# Allegro board 8880F5-0825_4.brd (continued)
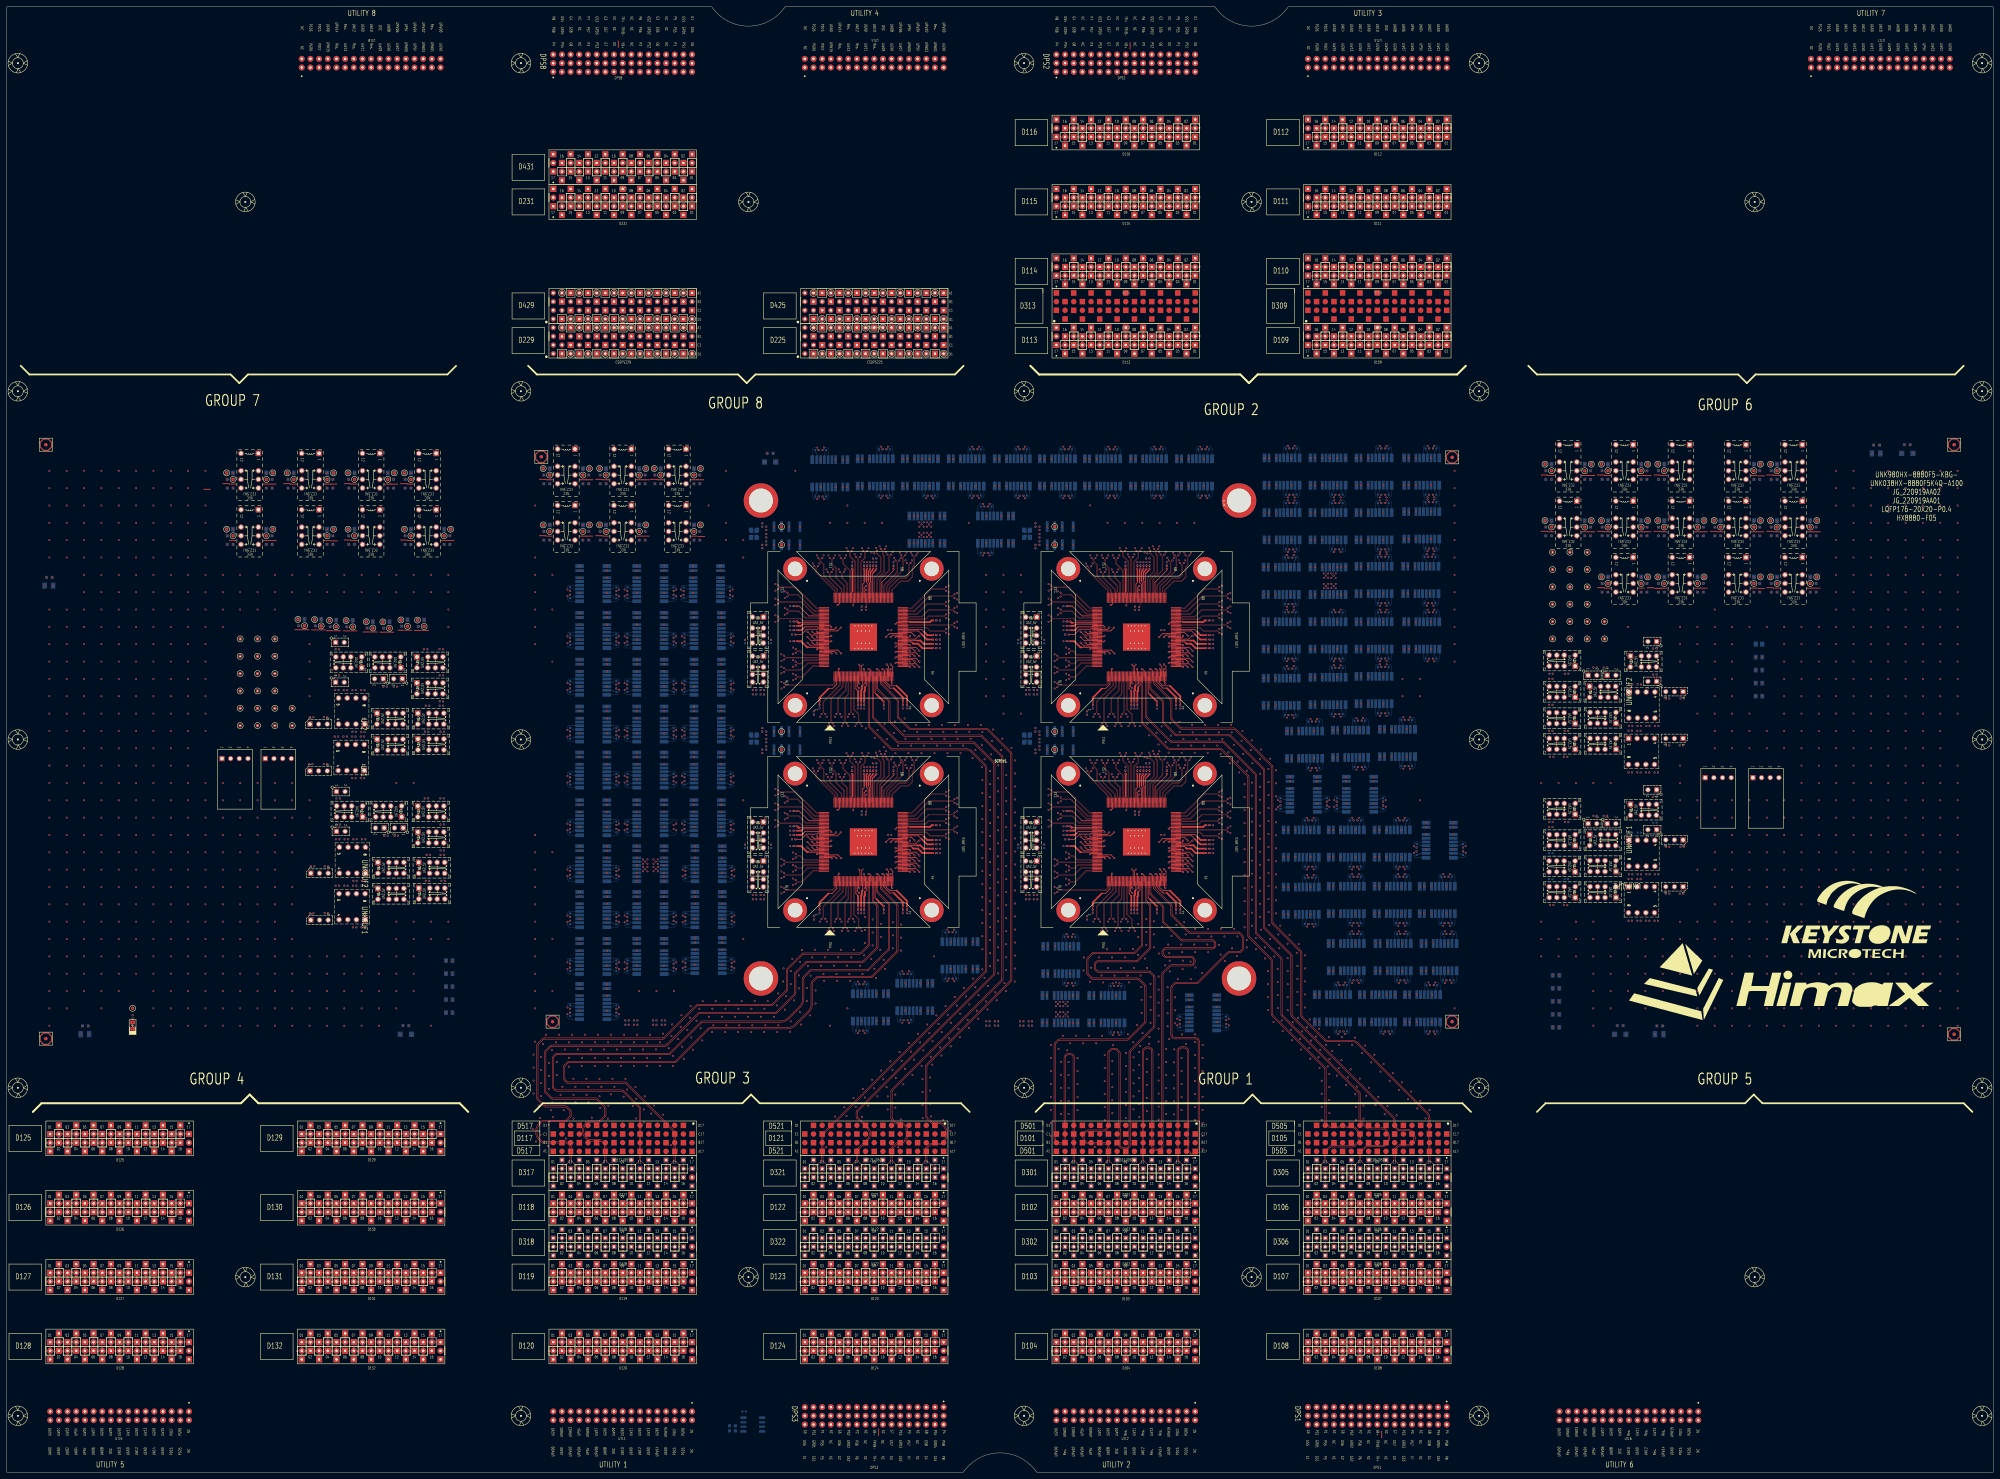
[diagram p0: board, top side]
## Routing (per net, layer and track width the routed paths; a pad name or vN(x,y) marks a point on that pad's centre or on a via; arc(x,y) is an arc through that point) (continued)
  L28_SIGNAL w0.074: D301.A9 328.37,83.82 ; D301.A9 327.66,84.53 ; D301.A9 326.95,83.82 ; D301.A9 327.66,83.11 ; D125.A11 38.1,94.79 ; D125.A11 38.1,93.17 ; D125.A11 37.29,93.98 ; D125.A11 38.91,93.98 ; D112.A6 409.75,393.7 ; D112.A6 408.94,392.89 ; D112.A6 408.94,394.51 ; D112.A6 408.13,393.7 ; D119.A16 198.12,56.69 ; D119.A16 198.93,55.88 ; D119.A16 197.31,55.88 ; D119.A16 198.12,55.07 ; D305.B3 386.79,88.9 ; D305.B3 386.08,89.61 ; D305.B3 385.37,88.9 ; D305.B3 386.08,88.19 ; 330.2,331.93 D113.A8 ; D113.A8 330.2,333.55 ; D113.A8 331.01,332.74 ; D113.A8 329.39,332.74 ; D305.A12 408.94,87.07 ; D305.A12 409.65,86.36 ; D305.A12 408.23,86.36 ; D305.A12 408.94,85.65 ; 314.15,388.62 D116.B14 ; D116.B14 314.96,389.43 ; D116.B14 314.96,387.81 ; D116.B14 315.77,388.62 ; D118.B15 195.58,79.55 ; D118.B15 194.77,78.74 ; D118.B15 195.58,77.93 ; D118.B15 196.39,78.74 ; 411.48,334.47 D109.A5 ; D109.A5 410.67,335.28 ; D109.A5 411.48,336.09 ; D109.A5 412.29,335.28 ; D302.A15 342.9,64.21 ; D302.A15 342.9,62.79 ; D302.A15 342.19,63.5 ; D302.A15 343.61,63.5 ; D110.B3 416.56,351.33 ; D110.B3 417.37,350.52 ; D110.B3 416.56,349.71 ; D110.B3 415.75,350.52 ; DPS3.C05 243.84,19.86 ; DPS3.C05 243.84,18.24 ; DPS3.C05 243.03,19.05 ; DPS3.C05 244.65,19.05 ; 187.15,81.28 D118.B12 ; D118.B12 188.77,81.28 ; D118.B12 187.96,80.47 ; D118.B12 187.96,82.09 ; D113.A9 327.66,336.09 ; D113.A9 326.85,335.28 ; D113.A9 328.47,335.28 ; D113.A9 327.66,334.47 ; D111.A14 389.43,373.38 ; D111.A14 387.81,373.38 ; D111.A14 388.62,372.57 ; D111.A14 388.62,374.19 ; D322.A8 251.46,66.75 ; D322.A8 252.17,66.04 ; D322.A8 250.75,66.04 ; D322.A8 251.46,65.33 ; 415.75,58.42 D107.B15 ; D107.B15 417.37,58.42 ; D107.B15 416.56,57.61 ; D107.B15 416.56,59.23 ; D107.B9 401.32,59.23 ; D107.B9 400.51,58.42 ; D107.B9 401.32,57.61 ; D107.B9 402.13,58.42 ; CSDPS425.C9 254.81,340.36 ; CSDPS425.C9 254,341.17 ; CSDPS425.C9 253.19,340.36 ; CSDPS425.C9 254,339.55 ; D301.A6 320.04,87.07 ; D301.A6 320.75,86.36 ; D301.A6 320.04,85.65 ; D301.A6 319.33,86.36 ; 414.02,352.25 D110.A4 ; D110.A4 413.21,353.06 ; D110.A4 414.02,353.87 ; D110.A4 414.83,353.06 ; 88.9,80.47 D130.B2 ; D130.B2 88.9,82.09 ; D130.B2 89.71,81.28 ; D130.B2 88.09,81.28 ; D107.B16 419.91,60.96 ; D107.B16 418.29,60.96 ; D107.B16 419.1,60.15 ; D107.B16 419.1,61.77 ; D322.B6 247.09,71.12 ; D322.B6 246.38,70.41 ; D322.B6 246.38,71.83 ; D322.B6 245.67,71.12 ; 254,83.11 D321.A9 ; D321.A9 254.71,83.82 ; D321.A9 253.29,83.82 ; D321.A9 254,84.53 ; D231.B14 168.45,368.3 ; D231.B14 166.83,368.3 ; D231.B14 167.64,367.49 ; D231.B14 167.64,369.11 ; 45.72,39.83 D128.B14 ; D128.B14 44.91,40.64 ; D128.B14 45.72,41.45 ; D128.B14 46.53,40.64 ; D122.B3 239.57,78.74 ; D122.B3 238.76,77.93 ; D122.B3 237.95,78.74 ; D122.B3 238.76,79.55 ; D102.B14 341.17,81.28 ; D102.B14 340.36,82.09 ; D102.B14 339.55,81.28 ; D102.B14 340.36,80.47 ; D116.B9 328.47,391.16 ; D116.B9 327.66,391.97 ; D116.B9 327.66,390.35 ; D116.B9 326.85,391.16 ; 339.55,373.38 D115.A4 ; D115.A4 341.17,373.38 ; D115.A4 340.36,374.19 ; D115.A4 340.36,372.57 ; D113.A5 338.63,335.28 ; D113.A5 337.01,335.28 ; D113.A5 337.82,334.47 ; D113.A5 337.82,336.09 ; 306.63,63.5 D302.A1 ; D302.A1 307.34,62.79 ; D302.A1 307.34,64.21 ; D302.A1 308.05,63.5 ; 385.37,63.5 D306.A3 ; D306.A3 386.08,62.79 ; D306.A3 386.79,63.5 ; D306.A3 386.08,64.21 ; 397.97,368.3 D111.B10 ; D111.B10 399.59,368.3 ; D111.B10 398.78,367.49 ; D111.B10 398.78,369.11 ; 99.06,80.47 D130.B6 ; D130.B6 99.06,82.09 ; D130.B6 98.25,81.28 ; D130.B6 99.87,81.28 ; 260.81,55.88 D123.A12 ; D123.A12 262.43,55.88 ; D123.A12 261.62,55.07 ; D123.A12 261.62,56.69 ; D107.A5 391.97,53.34 ; D107.A5 391.16,54.15 ; D107.A5 390.35,53.34 ; D107.A5 391.16,52.53 ; 327.66,77.93 D102.B9 ; D102.B9 327.66,79.55 ; D102.B9 326.85,78.74 ; D102.B9 328.47,78.74 ; 411.48,52.53 D107.A13 ; D107.A13 411.48,54.15 ; D107.A13 410.67,53.34 ; D107.A13 412.29,53.34 ; D109.B15 386.89,330.2 ; D109.B15 385.27,330.2 ; D109.B15 386.08,331.01 ; D109.B15 386.08,329.39 ; 119.38,39.83 D132.B14 ; D132.B14 119.38,41.45 ; D132.B14 120.19,40.64 ; D132.B14 118.57,40.64 ; 393.7,326.85 D109.B12 ; D109.B12 394.51,327.66 ; D109.B12 392.89,327.66 ; D109.B12 393.7,328.47 ; 322.58,390.35 D116.B11 ; D116.B11 323.39,391.16 ; D116.B11 321.77,391.16 ; D116.B11 322.58,391.97 ; 253.33,180.85 SITE3.G6 ; SITE3.G6 253.81,181.33 ; SITE3.G6 252.85,181.33 ; SITE3.G6 253.33,181.81 ; 165.1,380.19 D431.B15 ; D431.B15 165.1,381.81 ; D431.B15 164.29,381 ; D431.B15 165.91,381 ; 47.45,78.74 D126.B15 ; D126.B15 48.26,77.93 ; D126.B15 48.26,79.55 ; D126.B15 49.07,78.74 ; D301.B1 308.05,88.9 ; D301.B1 307.34,89.61 ; D301.B1 306.63,88.9 ; D301.B1 307.34,88.19 ; 340.36,39.83 D104.B14 ; D104.B14 341.17,40.64 ; D104.B14 340.36,41.45 ; D104.B14 339.55,40.64 ; 392.89,55.88 D107.A6 ; D107.A6 394.51,55.88 ; D107.A6 393.7,55.07 ; D107.A6 393.7,56.69 ; 27.94,98.25 D125.B7 ; D125.B7 27.94,99.87 ; D125.B7 28.75,99.06 ; D125.B7 27.13,99.06 ; 159.21,53.34 D119.A1 ; D119.A1 160.83,53.34 ; D119.A1 160.02,52.53 ; D119.A1 160.02,54.15 ; 395.43,58.42 D107.B7 ; D107.B7 397.05,58.42 ; D107.B7 396.24,59.23 ; D107.B7 396.24,57.61 ; SITE1.G12 253.81,247.93 ; SITE1.G12 253.33,247.45 ; SITE1.G12 252.85,247.93 ; SITE1.G12 253.33,248.41 ; D305.A5 391.87,83.82 ; D305.A5 391.16,83.11 ; D305.A5 391.16,84.53 ; D305.A5 390.45,83.82 ; 316.69,330.2 D113.B13 ; D113.B13 317.5,331.01 ; D113.B13 318.31,330.2 ; D113.B13 317.5,329.39 ; D130.A11 112.57,73.66 ; D130.A11 111.76,72.85 ; D130.A11 110.95,73.66 ; D130.A11 111.76,74.47 ; D302.A9 328.37,63.5 ; D302.A9 327.66,64.21 ; D302.A9 326.95,63.5 ; D302.A9 327.66,62.79 ; D131.A2 88.9,56.69 ; D131.A2 88.9,55.07 ; D131.A2 88.09,55.88 ; D131.A2 89.71,55.88 ; 266.7,80.47 D122.B14 ; D122.B14 265.89,81.28 ; D122.B14 267.51,81.28 ; D122.B14 266.7,82.09 ; D110.A12 393.7,353.87 ; D110.A12 392.89,353.06 ; D110.A12 394.51,353.06 ; D110.A12 393.7,352.25 ; D118.A2 163.37,76.2 ; D118.A2 162.56,75.39 ; D118.A2 161.75,76.2 ; D118.A2 162.56,77.01 ; D118.A7 175.26,74.47 ; D118.A7 175.26,72.85 ; D118.A7 174.45,73.66 ; D118.A7 176.07,73.66 ; D116.B4 341.17,388.62 ; D116.B4 339.55,388.62 ; D116.B4 340.36,387.81 ; D116.B4 340.36,389.43 ; D302.A14 341.07,66.04 ; D302.A14 339.65,66.04 ; D302.A14 340.36,66.75 ; D302.A14 340.36,65.33 ; 332.33,240.85 SITE2.G5 ; SITE2.G5 332.33,241.81 ; SITE2.G5 332.81,241.33 ; SITE2.G5 331.85,241.33 ; 187.15,373.38 D231.A6 ; D231.A6 188.77,373.38 ; D231.A6 187.96,372.57 ; D231.A6 187.96,374.19 ; 247.85,187.93 SITE3.G7 ; SITE3.G7 248.81,187.93 ; SITE3.G7 248.33,188.41 ; SITE3.G7 248.33,187.45 ; 96.52,57.61 D131.B5 ; D131.B5 96.52,59.23 ; D131.B5 97.33,58.42 ; D131.B5 95.71,58.42 ; D306.B16 419.81,71.12 ; D306.B16 419.1,70.41 ; D306.B16 418.39,71.12 ; D306.B16 419.1,71.83 ; D104.A10 330.2,36.37 ; D104.A10 331.01,35.56 ; D104.A10 330.2,34.75 ; D104.A10 329.39,35.56 ; 328.55,186.43 SITE4.G17 ; SITE4.G17 329.03,185.95 ; SITE4.G17 329.03,186.91 ; SITE4.G17 329.51,186.43 ; 45.72,55.07 D127.A14 ; D127.A14 44.91,55.88 ; D127.A14 46.53,55.88 ; D127.A14 45.72,56.69 ; 337.11,83.82 D301.A13 ; D301.A13 338.53,83.82 ; D301.A13 337.82,84.53 ; D301.A13 337.82,83.11 ; D301.B11 333.45,88.9 ; D301.B11 332.74,89.61 ; D301.B11 332.03,88.9 ; D301.B11 332.74,88.19 ; 251.85,187.93 SITE3.G11 ; SITE3.G11 252.33,187.45 ; SITE3.G11 252.81,187.93 ; SITE3.G11 252.33,188.41 ; 189.69,78.74 D118.B13 ; D118.B13 191.31,78.74 ; D118.B13 190.5,79.55 ; D118.B13 190.5,77.93 ; 235.41,342.9 CSDPS425.B16 ; CSDPS425.B16 236.22,343.71 ; CSDPS425.B16 237.03,342.9 ; CSDPS425.B16 236.22,342.09 ; D107.A8 399.59,55.88 ; D107.A8 398.78,56.69 ; D107.A8 398.78,55.07 ; D107.A8 397.97,55.88 ; 411.48,77.93 D106.B13 ; D106.B13 412.29,78.74 ; D106.B13 411.48,79.55 ; D106.B13 410.67,78.74 ; 255.83,91.44 D321.B10 ; D321.B10 257.25,91.44 ; D321.B10 256.54,90.73 ; D321.B10 256.54,92.15 ; 104.14,60.15 D131.B8 ; D131.B8 104.14,61.77 ; D131.B8 103.33,60.96 ; D131.B8 104.95,60.96 ; 241.3,55.07 D123.A4 ; D123.A4 242.11,55.88 ; D123.A4 241.3,56.69 ; D123.A4 240.49,55.88 ; DPS2.A11 323.39,415.29 ; DPS2.A11 322.58,416.1 ; DPS2.A11 321.77,415.29 ; DPS2.A11 322.58,414.48 ; D128.A1 12.7,33.83 ; D128.A1 13.51,33.02 ; D128.A1 12.7,32.21 ; D128.A1 11.89,33.02 ; 245.67,86.36 D321.A6 ; D321.A6 246.38,87.07 ; D321.A6 247.09,86.36 ; D321.A6 246.38,85.65 ; 388.62,331.93 D109.A14 ; D109.A14 387.81,332.74 ; D109.A14 389.43,332.74 ; D109.A14 388.62,333.55 ; D112.A1 422.45,396.24 ; D112.A1 421.64,397.05 ; D112.A1 421.64,395.43 ; D112.A1 420.83,396.24 ; 35.56,75.39 D126.A10 ; D126.A10 36.37,76.2 ; D126.A10 34.75,76.2 ; D126.A10 35.56,77.01 ; D317.A5 170.89,83.82 ; D317.A5 170.18,83.11 ; D317.A5 170.18,84.53 ; D317.A5 169.47,83.82 ; D107.A14 414.83,55.88 ; D107.A14 414.02,56.69 ; D107.A14 414.02,55.07 ; D107.A14 413.21,55.88 ; 179.53,78.74 D118.B9 ; D118.B9 180.34,77.93 ; D118.B9 180.34,79.55 ; D118.B9 181.15,78.74 ; 260.81,342.9 CSDPS425.B6 ; CSDPS425.B6 261.62,343.71 ; CSDPS425.B6 261.62,342.09 ; CSDPS425.B6 262.43,342.9 ; 37.29,58.42 D127.B11 ; D127.B11 38.91,58.42 ; D127.B11 38.1,59.23 ; D127.B11 38.1,57.61 ; D321.A11 259.79,83.82 ; D321.A11 259.08,84.53 ; D321.A11 258.37,83.82 ; D321.A11 259.08,83.11 ; 253.19,53.34 D123.A9 ; D123.A9 254,52.53 ; D123.A9 254,54.15 ; D123.A9 254.81,53.34 ; 340.36,326.85 D113.B4 ; D113.B4 340.36,328.47 ; D113.B4 339.55,327.66 ; D113.B4 341.17,327.66 ; D115.A11 323.39,375.92 ; D115.A11 322.58,375.11 ; D115.A11 322.58,376.73 ; D115.A11 321.77,375.92 ; 180.34,52.53 D119.A9 ; D119.A9 181.15,53.34 ; D119.A9 179.53,53.34 ; D119.A9 180.34,54.15 ; UNK3U2.4 97.4,176.4 ; UNK3U2.4 96.46,175.46 ; UNK3U2.4 98.34,175.46 ; UNK3U2.4 97.4,174.52 ; 320.04,352.25 D114.A12 ; D114.A12 320.85,353.06 ; D114.A12 320.04,353.87 ; D114.A12 319.23,353.06 ; D231.B4 193.85,368.3 ; D231.B4 193.04,369.11 ; D231.B4 193.04,367.49 ; D231.B4 192.23,368.3 ; 93.98,100.79 D129.B4 ; D129.B4 94.79,101.6 ; D129.B4 93.17,101.6 ; D129.B4 93.98,102.41 ; D322.B14 266.7,71.83 ; D322.B14 267.41,71.12 ; D322.B14 266.7,70.41 ; D322.B14 265.99,71.12 ; D130.A7 101.6,74.47 ; D130.A7 100.79,73.66 ; D130.A7 102.41,73.66 ; D130.A7 101.6,72.85 ; SITE3.G9 250.33,188.41 ; SITE3.G9 250.81,187.93 ; SITE3.G9 250.33,187.45 ; SITE3.G9 249.85,187.93 ; D112.B5 412.29,391.16 ; D112.B5 411.48,390.35 ; D112.B5 410.67,391.16 ; D112.B5 411.48,391.97 ; D305.B6 393.7,92.15 ; D305.B6 392.99,91.44 ; D305.B6 393.7,90.73 ; D305.B6 394.41,91.44 ; 330.33,247.45 SITE2.G9 ; SITE2.G9 329.85,247.93 ; SITE2.G9 330.33,248.41 ; SITE2.G9 330.81,247.93 ; 175.26,88.19 D317.B7 ; D317.B7 175.26,89.61 ; D317.B7 175.97,88.9 ; D317.B7 174.55,88.9 ; D231.A9 181.15,375.92 ; D231.A9 179.53,375.92 ; D231.A9 180.34,375.11 ; D231.A9 180.34,376.73 ; D122.A12 261.62,77.01 ; D122.A12 262.43,76.2 ; D122.A12 260.81,76.2 ; D122.A12 261.62,75.39 ; D104.B3 312.42,38.91 ; D104.B3 311.61,38.1 ; D104.B3 313.23,38.1 ; D104.B3 312.42,37.29 ; 248.21,63.5 D322.A7 ; D322.A7 249.63,63.5 ; D322.A7 248.92,62.79 ; D322.A7 248.92,64.21 ; SITE3.G17 249.51,186.43 ; SITE3.G17 249.03,186.91 ; SITE3.G17 248.55,186.43 ; SITE3.G17 249.03,185.95 ; D112.A2 419.1,394.51 ; D112.A2 418.29,393.7 ; D112.A2 419.91,393.7 ; D112.A2 419.1,392.89 ; 260.81,332.74 CSDPS225.B6 ; CSDPS225.B6 261.62,333.55 ; CSDPS225.B6 261.62,331.93 ; CSDPS225.B6 262.43,332.74 ; D106.A1 381.81,73.66 ; D106.A1 381,74.47 ; D106.A1 381,72.85 ; D106.A1 380.19,73.66 ; D120.B7 175.26,38.91 ; D120.B7 174.45,38.1 ; D120.B7 175.26,37.29 ; D120.B7 176.07,38.1 ; 403.86,34.75 D108.A10 ; D108.A10 403.05,35.56 ; D108.A10 403.86,36.37 ; D108.A10 404.67,35.56 ; 342.09,73.66 D102.A15 ; D102.A15 342.9,74.47 ; D102.A15 342.9,72.85 ; D102.A15 343.71,73.66 ; 382.73,393.7 D112.A16 ; D112.A16 384.35,393.7 ; D112.A16 383.54,392.89 ; D112.A16 383.54,394.51 ; D431.B11 176.07,381 ; D431.B11 174.45,381 ; D431.B11 175.26,381.81 ; D431.B11 175.26,380.19 ; 184.71,63.5 D318.A11 ; D318.A11 186.13,63.5 ; D318.A11 185.42,62.79 ; D318.A11 185.42,64.21 ; D108.B2 384.35,40.64 ; D108.B2 382.73,40.64 ; D108.B2 383.54,41.45 ; D108.B2 383.54,39.83 ; 160.02,62.79 D318.A1 ; D318.A1 160.02,64.21 ; D318.A1 159.31,63.5 ; D318.A1 160.73,63.5 ; D102.A8 325.93,76.2 ; D102.A8 325.12,77.01 ; D102.A8 324.31,76.2 ; D102.A8 325.12,75.39 ; 337.01,330.2 D113.B5 ; D113.B5 337.82,329.39 ; D113.B5 337.82,331.01 ; D113.B5 338.63,330.2 ; D118.A4 167.64,77.01 ; D118.A4 167.64,75.39 ; D118.A4 166.83,76.2 ; D118.A4 168.45,76.2 ; 97.14,218.21 U2.4 ; U2.4 96.2,219.15 ; U2.4 97.14,220.09 ; U2.4 98.08,219.15 ; D317.B14 193.04,92.15 ; D317.B14 192.33,91.44 ; D317.B14 193.75,91.44 ; D317.B14 193.04,90.73 ; D128.B13 43.99,38.1 ; D128.B13 43.18,38.91 ; D128.B13 42.37,38.1 ; D128.B13 43.18,37.29 ; D130.A13 117.65,73.66 ; D130.A13 116.84,74.47 ; D130.A13 116.84,72.85 ; D130.A13 116.03,73.66 ; D132.B4 94.79,40.64 ; D132.B4 93.17,40.64 ; D132.B4 93.98,41.45 ; D132.B4 93.98,39.83 ; 235.51,91.44 D321.B2 ; D321.B2 236.93,91.44 ; D321.B2 236.22,92.15 ; D321.B2 236.22,90.73 ; D119.A4 167.64,56.69 ; D119.A4 166.83,55.88 ; D119.A4 168.45,55.88 ; D119.A4 167.64,55.07 ; D115.A6 335.28,374.19 ; D115.A6 334.47,373.38 ; D115.A6 336.09,373.38 ; D115.A6 335.28,372.57 ; 400.51,370.84 D111.B9 ; D111.B9 401.32,371.65 ; D111.B9 402.13,370.84 ; D111.B9 401.32,370.03 ; 416.56,329.39 D109.B3 ; D109.B3 416.56,331.01 ; D109.B3 417.37,330.2 ; D109.B3 415.75,330.2 ; DPS2.A01 348.79,415.29 ; DPS2.A01 347.17,415.29 ; DPS2.A01 347.98,416.1 ; DPS2.A01 347.98,414.48 ; SITE3.G8 249.33,188.41 ; SITE3.G8 248.85,187.93 ; SITE3.G8 249.81,187.93 ; SITE3.G8 249.33,187.45 ; 33.02,32.21 D128.A9 ; D128.A9 33.02,33.83 ; D128.A9 33.83,33.02 ; D128.A9 32.21,33.02 ; D305.B14 414.73,91.44 ; D305.B14 414.02,90.73 ; D305.B14 414.02,92.15 ; D305.B14 413.31,91.44 ; CSDPS425.C11 249.73,340.36 ; CSDPS425.C11 248.92,341.17 ; CSDPS425.C11 248.92,339.55 ; CSDPS425.C11 248.11,340.36 ; D131.B2 88.9,61.77 ; D131.B2 89.71,60.96 ; D131.B2 88.09,60.96 ; D131.B2 88.9,60.15 ; 337.82,62.79 D302.A13 ; D302.A13 338.53,63.5 ; D302.A13 337.82,64.21 ; D302.A13 337.11,63.5 ; 334.47,332.74 D113.A6 ; D113.A6 335.28,331.93 ; D113.A6 335.28,333.55 ; D113.A6 336.09,332.74 ; DPS3.A01 234.49,13.97 ; DPS3.A01 233.68,13.16 ; DPS3.A01 233.68,14.78 ; DPS3.A01 232.87,13.97 ; D113.B7 332.74,331.01 ; D113.B7 332.74,329.39 ; D113.B7 331.93,330.2 ; D113.B7 333.55,330.2 ; 410.77,68.58 D306.B13 ; D306.B13 411.48,67.87 ; D306.B13 412.19,68.58 ; D306.B13 411.48,69.29 ; 193.04,342.09 CSDPS429.B4 ; CSDPS429.B4 193.04,343.71 ; CSDPS429.B4 192.23,342.9 ; CSDPS429.B4 193.85,342.9 ; 193.04,75.39 D118.A14 ; D118.A14 193.85,76.2 ; D118.A14 192.23,76.2 ; D118.A14 193.04,77.01 ; D128.B5 22.86,38.91 ; D128.B5 23.67,38.1 ; D128.B5 22.86,37.29 ; D128.B5 22.05,38.1 ; D118.B10 183.69,81.28 ; D118.B10 182.88,80.47 ; D118.B10 182.88,82.09 ; D118.B10 182.07,81.28 ; 314.96,90.73 D301.B4 ; D301.B4 314.96,92.15 ; D301.B4 315.67,91.44 ; D301.B4 314.25,91.44 ; D301.A15 342.9,84.53 ; D301.A15 343.61,83.82 ; D301.A15 342.9,83.11 ; D301.A15 342.19,83.82 ; 193.04,34.75 D120.A14 ; D120.A14 193.04,36.37 ; D120.A14 193.85,35.56 ; D120.A14 192.23,35.56 ; D321.B15 269.95,88.9 ; D321.B15 269.24,89.61 ; D321.B15 269.24,88.19 ; D321.B15 268.53,88.9 ; D115.B4 341.17,368.3 ; D115.B4 340.36,367.49 ; D115.B4 340.36,369.11 ; D115.B4 339.55,368.3 ; D318.B4 167.64,71.83 ; D318.B4 166.93,71.12 ; D318.B4 167.64,70.41 ; D318.B4 168.35,71.12 ; D301.B12 335.28,92.15 ; D301.B12 335.28,90.73 ; D301.B12 334.57,91.44 ; D301.B12 335.99,91.44 ; 393.7,392.89 D112.A12 ; D112.A12 392.89,393.7 ; D112.A12 393.7,394.51 ; D112.A12 394.51,393.7 ; D124.A9 254,33.83 ; D124.A9 254.81,33.02 ; D124.A9 254,32.21 ; D124.A9 253.19,33.02 ; 256.54,331.93 CSDPS225.B8 ; CSDPS225.B8 255.73,332.74 ; CSDPS225.B8 256.54,333.55 ; CSDPS225.B8 257.35,332.74 ; 406.4,375.11 D111.A7 ; D111.A7 406.4,376.73 ; D111.A7 405.59,375.92 ; D111.A7 407.21,375.92 ; D106.A7 397.05,73.66 ; D106.A7 396.24,74.47 ; D106.A7 395.43,73.66 ; D106.A7 396.24,72.85 ; D130.A14 120.19,76.2 ; D130.A14 119.38,75.39 ; D130.A14 119.38,77.01 ; D130.A14 118.57,76.2 ; D113.B15 312.42,331.01 ; D113.B15 313.23,330.2 ; D113.B15 311.61,330.2 ; D113.B15 312.42,329.39 ; D130.B14 120.19,81.28 ; D130.B14 119.38,80.47 ; D130.B14 118.57,81.28 ; D130.B14 119.38,82.09 ; D124.B10 256.54,41.45 ; D124.B10 256.54,39.83 ; D124.B10 257.35,40.64 ; D124.B10 255.73,40.64 ; 386.08,77.93 D106.B3 ; D106.B3 386.89,78.74 ; D106.B3 386.08,79.55 ; D106.B3 385.27,78.74 ; 167.64,39.83 D120.B4 ; D120.B4 167.64,41.45 ; D120.B4 168.45,40.64 ; D120.B4 166.83,40.64 ; 326.95,68.58 D302.B9 ; D302.B9 328.37,68.58 ; D302.B9 327.66,67.87 ; D302.B9 327.66,69.29 ; 34.75,55.88 D127.A10 ; D127.A10 35.56,55.07 ; D127.A10 36.37,55.88 ; D127.A10 35.56,56.69 ; DPS2.C01 347.98,411.02 ; DPS2.C01 348.79,410.21 ; DPS2.C01 347.17,410.21 ; DPS2.C01 347.98,409.4 ; D322.A13 264.16,64.21 ; D322.A13 264.87,63.5 ; D322.A13 263.45,63.5 ; D322.A13 264.16,62.79 ; 187.96,70.41 D318.B12 ; D318.B12 187.25,71.12 ; D318.B12 187.96,71.83 ; D318.B12 188.67,71.12 ; 161.75,40.64 D120.B2 ; D120.B2 162.56,39.83 ; D120.B2 163.37,40.64 ; D120.B2 162.56,41.45 ; 347.17,375.92 D115.A1 ; D115.A1 347.98,376.73 ; D115.A1 347.98,375.11 ; D115.A1 348.79,375.92 ; 413.21,368.3 D111.B4 ; D111.B4 414.02,369.11 ; D111.B4 414.02,367.49 ; D111.B4 414.83,368.3 ; D103.A7 322.58,54.15 ; D103.A7 323.39,53.34 ; D103.A7 322.58,52.53 ; D103.A7 321.77,53.34 ; D111.B13 391.16,371.65 ; D111.B13 390.35,370.84 ; D111.B13 391.16,370.03 ; D111.B13 391.97,370.84 ; D102.B6 320.04,82.09 ; D102.B6 320.85,81.28 ; D102.B6 319.23,81.28 ; D102.B6 320.04,80.47 ; D111.A4 414.02,374.19 ; D111.A4 414.83,373.38 ; D111.A4 413.21,373.38 ; D111.A4 414.02,372.57 ; 415.75,370.84 D111.B3 ; D111.B3 416.56,371.65 ; D111.B3 416.56,370.03 ; D111.B3 417.37,370.84 ; 116.84,52.53 D131.A13 ; D131.A13 116.03,53.34 ; D131.A13 116.84,54.15 ; D131.A13 117.65,53.34 ; 236.22,39.83 D124.B2 ; D124.B2 237.03,40.64 ; D124.B2 236.22,41.45 ; D124.B2 235.41,40.64 ; D114.A8 330.2,353.87 ; D114.A8 331.01,353.06 ; D114.A8 329.39,353.06 ; D114.A8 330.2,352.25 ; 187.96,39.83 D120.B12 ; D120.B12 187.96,41.45 ; D120.B12 188.77,40.64 ; D120.B12 187.15,40.64 ; 309.07,55.88 D103.A2 ; D103.A2 309.88,56.69 ; D103.A2 310.69,55.88 ; D103.A2 309.88,55.07 ; D109.A1 422.45,335.28 ; D109.A1 421.64,336.09 ; D109.A1 420.83,335.28 ; D109.A1 421.64,334.47 ; D102.B16 345.44,82.09 ; D102.B16 345.44,80.47 ; D102.B16 344.63,81.28 ; D102.B16 346.25,81.28 ; D431.A14 168.45,383.54 ; D431.A14 167.64,384.35 ; D431.A14 167.64,382.73 ; D431.A14 166.83,383.54 ; D114.A14 315.77,353.06 ; D114.A14 314.96,353.87 ; D114.A14 314.96,352.25 ; D114.A14 314.15,353.06 ; D321.A16 271.78,87.07 ; D321.A16 272.49,86.36 ; D321.A16 271.07,86.36 ; D321.A16 271.78,85.65 ; D113.A7 332.74,336.09 ; D113.A7 331.93,335.28 ; D113.A7 332.74,334.47 ; D113.A7 333.55,335.28 ; D110.B4 414.83,347.98 ; D110.B4 413.21,347.98 ; D110.B4 414.02,347.17 ; D110.B4 414.02,348.79 ; D131.B13 116.84,59.23 ; D131.B13 116.84,57.61 ; D131.B13 117.65,58.42 ; D131.B13 116.03,58.42 ; D120.A5 170.99,33.02 ; D120.A5 170.18,32.21 ; D120.A5 170.18,33.83 ; D120.A5 169.37,33.02 ; 266.7,331.93 CSDPS225.B4 ; CSDPS225.B4 266.7,333.55 ; CSDPS225.B4 265.89,332.74 ; CSDPS225.B4 267.51,332.74 ; 331.93,391.16 D116.B7 ; D116.B7 332.74,391.97 ; D116.B7 333.55,391.16 ; D116.B7 332.74,390.35 ; DPS2.C15 313.23,410.21 ; DPS2.C15 311.61,410.21 ; DPS2.C15 312.42,411.02 ; DPS2.C15 312.42,409.4 ; CSDPS429.B6 188.77,342.9 ; CSDPS429.B6 187.96,343.71 ; CSDPS429.B6 187.15,342.9 ; CSDPS429.B6 187.96,342.09 ; 174.55,63.5 D318.A7 ; D318.A7 175.97,63.5 ; D318.A7 175.26,62.79 ; D318.A7 175.26,64.21 ; 342.09,330.2 D113.B3 ; D113.B3 343.71,330.2 ; D113.B3 342.9,329.39 ; D113.B3 342.9,331.01 ; 11.89,93.98 D125.A1 ; D125.A1 13.51,93.98 ; D125.A1 12.7,94.79 ; D125.A1 12.7,93.17 ; D108.A4 389.43,35.56 ; D108.A4 388.62,34.75 ; D108.A4 388.62,36.37 ; D108.A4 387.81,35.56 ; 40.64,75.39 D126.A12 ; D126.A12 40.64,77.01 ; D126.A12 41.45,76.2 ; D126.A12 39.83,76.2 ; DPS1.C01 381,19.86 ; DPS1.C01 380.19,19.05 ; DPS1.C01 381.81,19.05 ; DPS1.C01 381,18.24 ; 403.86,70.41 D306.B10 ; D306.B10 403.15,71.12 ; D306.B10 403.86,71.83 ; D306.B10 404.57,71.12 ; D129.A12 